# KiCad board AMLDC-2044B p3.kicad_pcb (continued)
## Routing (per net, layer and track width the routed paths; a pad name or vN(x,y) marks a point on that pad's centre or on a via; arc(x,y) is an arc through that point) (continued)
~{DCHP OUT}: length 8.7
  Top w0.15: J1.93 76.09,198.59 80.27,198.59 81.37,199.18 81.86,199.5 82.8,199.79 83.82,200.13 v1(83.82,200.18) 83.87,200.18 83.92,200.22
~{DCHR}: length 177
  Top w0.15: J2.35 76.63,101.22 84.61,101.1 88.84,101.39 89.86,101.59 93.41,101.81 94.81,102.16 95.98,102.54 96.49,103.43 96.55,103.65 96.73,104.54 96.67,106.31 96.56,106.88 96.55,109.32 96.35,110.63 96.23,114.08 96.04,114.77 95.8,119.17 95.93,120.03 96.22,122.09 96.49,123.2 96.63,124.17 97.2,126.94 97.2,130.49 96.62,132.75 96.11,135.27 95.85,136.2 95.74,137.04 96.22,139.53 96.86,140.7 97.29,141.9 97.95,143.25 98.59,144.65 99.55,146.71 100.06,147.88 100.32,148.66 100.68,150.25 100.88,152 100.63,157.92 100.48,159.34 99.97,163.13 99.72,165.25 99.5,168.24 99.35,169.68 99.36,170.21 99.37,170.68 99.5,172.24 99.72,172.83 100.1,175.51 100.43,177.02 100.76,179.2 101.08,180.48 101.4,182.64 101.65,183.89 102.18,187.92 102.41,189.59 102.74,192.05 102.92,194.04 103.38,197.21 103.36,198.6 103.56,199.49 103.62,200.35 103.79,208.09 103.69,208.19 103.69,210.58 103.69,211.04 103.59,212.68 103.6,213.21 103.43,214.05 103.18,214.78 102.83,215.78 102.36,216.91 101.68,218.04 101.56,218.21 101.12,219.21 100.83,219.66 99.88,221.92 99.66,224.58 99.6,224.64 99.48,228.19 99.46,229.67 99.42,234.66 99.44,235.83 99.42,237.94 99.32,238.63 99.52,240.33 99.94,242.77 100.06,243.53 100.34,245.19 100.21,247.47 99.99,248.33 99.83,249.81 99.56,251.63 99.46,252.89 99.21,253.85 98.75,255.08 v1(98.15,256.86)
~{INTP OUT}: length 9.5
  Top w0.15: J1.95 79.98,195.41 80.42,195.48 82.39,195.59 ; 85.07,195.67 v1(84.97,195.76) 84.27,195.72 83.71,195.66 82.3,195.59
~{INTR}: length 125.9
  Top w0.15: v1(98.99,217.28) 99.74,216.11 100.7,214.79 101.43,212.87 101.72,210.95 101.74,208.46 101.88,206.56 101.74,204.03 101.65,202.47 101.45,198.39 101.35,197.21 101.23,195.76 100.9,193.39 100.5,189.82 100.29,188.94 100.17,187.74 99.64,184.08 99.15,181.06 98.92,179.9 98.58,177.96 98.29,177.12 98.07,175.16 97.88,174.18 97.43,171.57 97.34,170.6 97.64,167.79 98,164.63 98.31,160.83 98.84,156.17 99.02,151.45 97.9,148.15 97.39,146.74 96.76,145.29 96.21,144.03 95.64,142.88 95.21,141.6 94.64,140.29 94.04,138.31 93.99,137.54 93.98,137.09 94.02,135.53 94.31,134.62 94.79,131.78 95,130.96 95.12,129.25 ; J2.29 76.97,110.85 91.67,110.89 93.32,111.21 93.83,111.68 94.09,112.21 94.24,113.56 94.01,115.04 93.95,117.53 93.81,118.4 94.15,122.14 94.79,124.86 ; 94.74,124.71 95.25,127.35 95.11,129.45
~{RQENB}: length 208
  Top w0.15: 101.35,237.79 101.48,241.16 102.01,242.88 102.13,245.05 102.14,246.63 101.89,248.23 101.58,249.18 101.56,252.7 101.49,253.42 101.48,254.98 100.33,259.07 99.77,260.14 97.57,263.13 96.93,264.73 96.57,266 96.5,266.64 96.48,268.07 96.52,269.23 96.94,275.09 v1(97.08,275.79) ; 101.36,237.89 101.56,224.44 101.58,224.24 101.84,222.35 102.61,220.44 104.55,216.95 105.67,214.61 105.56,200.94 105.55,200.86 105.43,197.54 105.37,196.75 105.11,194.06 104.98,193.03 104.48,189.09 104.14,186.36 103.84,184.38 103.62,183.2 102.94,179.16 102.64,176.99 101.75,172.9 101.36,171.39 101.35,170.58 101.39,167.9 101.71,165.88 101.76,165.32 101.82,164.5 102.25,158.59 102.48,156.87 102.74,151.39 102.54,150 102.21,147.9 101.71,146.49 100.57,144.16 99.94,142.85 99.35,141.82 98.81,140.51 98.17,139.31 97.74,138.17 97.89,135.5 98.29,134.43 98.87,130.73 99.17,129.61 99.15,128.1 98.89,125.33 98.72,123.87 98.12,121.03 97.78,120.04 97.97,116.22 98.27,112.63 98.43,111.91 98.64,102.95 98.64,102.2 98.74,97.75 98.76,97.79 98.77,95.84 97.78,94.38 96.7,93.62 94.12,92.89 92.49,92.85 90.77,92.65 89.5,92.63 89.12,92.56 86.04,92.53 80.75,91.86 77.49,92.33 J2.41
unconnected-(C14-Pad1): length 38.9
  Top w0.15: v1(222.54,307.84) 221.5,308.2 220.85,309.41 220.94,311.58 220.88,311.43 220.88,317.71 221.04,320.16 221.56,328.8 222.06,330.17 222.5,332.19 222.74,332.9 222.96,335.39 222.81,336.32 222.53,337.65 222.17,339.12 222.06,341.69 222.59,343.39 222.59,343.85 C14.1
unconnected-(R2-Pad2): length 19.5
  Top w0.15: v1(253.86,324.83) 253.09,325.47 252.69,326.71 252.55,328.83 252.52,329.53 252.78,332.89 252.75,334.48 252.85,335.5 252.98,337.71 253.04,339.02 253.23,339.89 253.46,341.15 253.58,341.64 253.58,343.29 R2.2
unconnected-(R3-Pad2): length 75.7
  Top w0.15: 176.97,314.35 176.96,314.34 ; 176.97,314.35 177.03,314.41 ; 176.97,314.35 177.03,314.41 ; R3.2 176.3,281.35 176.4,283.25 176.46,285.2 175.99,287.47 176.17,290.13 176.24,292.38 176.53,295.44 176.73,297.42 177.12,300.59 177.08,301.33 177.08,303.44 177.02,304.3 176.9,307.26 176.85,308.67 177.03,314.41 ; 178.15,336 178.15,344.68 178.13,344.69 178.13,351.31 v1(178.02,351.43) ; 177.03,314.41 177.03,317.4 177.06,317.43 177.06,320.4 176.79,321.35 176.44,322.12 175.99,322.93 175.39,324.15 175.07,325.73 175.29,326.42 175.58,327.43 176.32,329.01 177.23,330.95 177.94,333.09 178.23,334.9 178.15,336.08
unconnected-(R30-Pad1): length 25.9
  Top w0.15: v1(215.08,322.45) 215.72,323.29 216.29,324.47 216.74,325.7 216.89,326.1 217.09,327.21 217.04,328.58 216.81,329.03 216.25,329.93 215.95,330.47 215.41,331.08 215.19,331.38 214.92,331.57 214.58,332.09 214.4,332.37 214.14,332.73 213.9,332.93 213.9,336.23 214.17,336.91 214.53,337.55 215.04,338.09 215.48,338.46 216.31,338.9 v1(217.59,339.29) 217.61,340.09 217.53,341.74 217.54,343.25 R30.1
unconnected-(R39-Pad2): length 80.1
  Top w0.15: 406.05,349.01 v1(406.05,348.99) 406.07,348.99 406.24,348.82 406.6,348 406.91,347.39 407.07,347.06 407.38,346.26 407.81,345.14 408.39,343.57 408.78,341.58 408.66,337.46 408.61,336.76 408.61,334.68 408.53,317.98 408.19,316.8 407.9,313.81 407.86,312.78 407.92,309.89 408.36,308.77 408.88,305.72 408.91,305.05 408.95,304.26 409.07,301.08 408.88,298.15 408.69,297.2 408.35,296.35 408.16,296.11 406.85,294.51 406.64,293.98 406.07,292 405.96,285.4 405.97,285.09 406.05,284.64 406,283.25 405.97,281.91 405.84,280.31 405.79,279.49 405.71,278.53 405.7,277.52 405.59,274.42 405.62,273.2 405.56,271.89 R39.2
unconnected-(R42-Pad2): length 53.3
  Top w0.15: R42.2 403.15,211.85 403.08,212.65 403.43,213.81 403.57,214.24 404.01,216.04 404.19,217.46 404.27,217.63 404.33,218.21 404.52,220.15 404.6,220.76 404.72,221.63 404.78,222.89 404.89,224.4 405.18,226.12 405.33,227.52 405.46,228.29 405.64,229.67 405.79,230.51 405.92,231.37 406.09,232.39 406.18,233.25 406.25,233.82 406.25,235.84 406.6,237.09 406.33,239 406.37,240.64 406.18,241.95 405.97,242.65 405.8,243.42 405.68,243.82 405.12,244.9 404.77,245.75 404.48,246.3 404.23,246.92 404.08,247.32 403.42,249.04 403.26,249.86 403.18,251.21 403.25,252.98 403.63,256.01 403.87,257.46 404.17,258.23 404.56,259.6 404.93,260.71 405.14,261.72 405.29,262.49 v1(405.26,263.22) 405.29,263.19
unconnected-(R55-Pad1): length 25.8
  Top w0.25: R55.1 105.58,221.94 108.53,216.19 108.86,199.07 109.13,198.79 ; 109.13,198.79 v2(109.13,198.74) 109.18,198.74 109.13,198.79
unconnected-(R58-Pad2): length 2
  Top w0.15: v1(183.32,348.76) 183.38,348.7 R58.2
unconnected-(R79-Pad2): length 96.1
  Top w0.15: R79.2 375.12,349.13 375.58,347.35 375.76,346.28 375.82,345.39 375.93,344.25 376.01,342.9 376.08,342.55 376.22,338.88 376.34,337.77 376.01,330.88 375.84,328.09 375.75,327.61 375.63,325.64 375.61,325.15 375.62,324.65 375.62,323.08 375.69,323.01 375.69,322.4 ; 375.69,322.4 373.86,322.4 v1(373.83,322.38) 373.8,322.4 373.77,322.4 ; 375.69,322.4 375.57,313.8 375.58,312.72 375.56,312.01 375.47,310.74 375.44,308.35 375.25,307.57 374.78,306.42 374.63,305.99 374.43,305.52 374.3,305.07 373.9,303.72 374.12,302.02 374.25,301.48 374.51,300.54 374.72,299.13 374.89,297.86 375.02,297.16 375.17,288.87 374.97,280.06 374.87,275.57 374.87,274.91 374.69,273.15 374.52,272.43 374.32,271.78 374.16,271.49 373.98,270.72 373.89,270.24 v1(373.87,270.23) 374.14,269.43 374.34,268.66 374.46,267.03 374.69,265.91 374.69,262.04 374.74,261.31 374.65,260.77 374.57,259.88 374.06,258.06 373.96,257.73 373.85,257.51 v1(373.85,257.39) 373.73,257.39 373.71,257.37
unconnected-(R85-Pad1): length 47.1
  Top w0.15: 173.2,74.52 v1(173.1,74.59) 173.45,75.25 173.28,76.19 173.45,76.94 173.59,77.46 173.85,78.34 174,79.66 ; 172.76,118.43 172.76,120.46 R85.1 ; 172.76,118.43 172.76,118.51 ; 172.76,118.43 172.87,114.03 173.56,109.68 173.86,108.06 174,106.93 174,79.66 ; 174,79.66 174,79.48
unconnected-(R89-Pad2): length 6.4
  Top w0.15: v1(251.51,313.94) 251.39,313.28 251.24,312.6 250.47,309 R89.2
unconnected-(UD8B-~{R}-Pad13): length 11.2
  Top w0.15: UD8.13 418.91,318.51 418.62,317.92 418.49,317.34 418.11,316.48 418.02,309.24 417.72,308.94 v1(417.72,308.89) 417.67,308.89 417.6,308.81
unconnected-(UG8-Pad11): length 10.2
  Top w0.15: 422.67,254.76 422.57,254.85 v1(422.57,254.89) 422.57,261.14 422.87,262.3 UG8.11
unconnected-(US2-CK-Pad8): length 6.3
  Top w0.15: US2.8 204.8,90.97 205.56,91.9 205.96,92.81 206.11,92.94 v1(206.49,94.08)

## Text on the board
User.Comments: Rework Wire / Here | B C D E | T  U  V W | F G H J  K | P R S | L M N | F G H J K | L  M N | 0   1   2   3   4   5   6   7   8
